# KiCad board heepidermis-bo.kicad_pcb (continued)
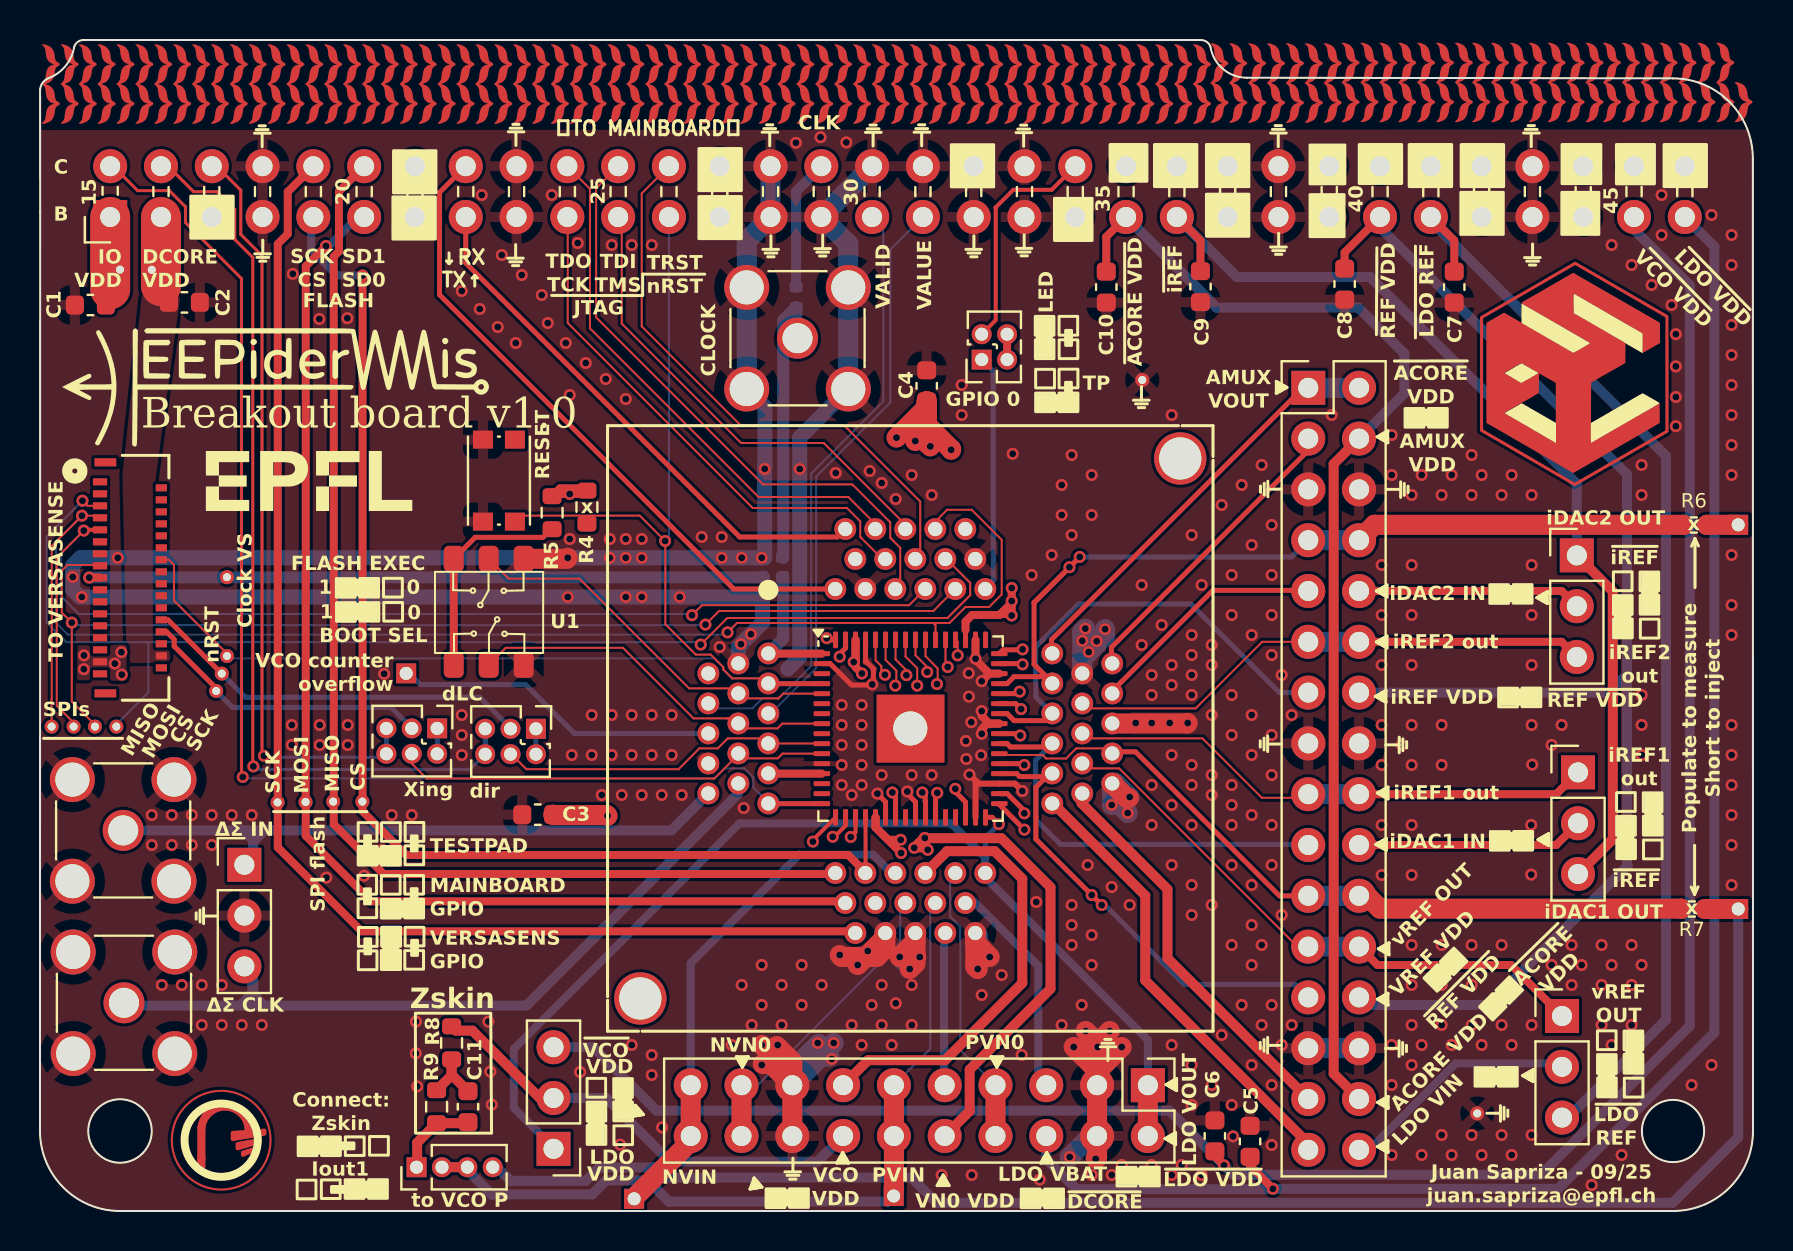
[diagram p0: board, top side]
## Routing (per net, layer and track width the routed paths; a pad name or vN(x,y) marks a point on that pad's centre or on a via; arc(x,y) is an arc through that point) (continued)
/VCO_CNT_OVF: length 16.2
  Bottom w0.25: HEEPidermis1.9 26.72,23.88 24.28,26.32 19.02,26.32 18.46,26.88
/VCO_N_VIN: length 31.5
  Top w0.25: HEEPidermis2.23 42.78,20.77 v1(42.62,20.93)
  Top w1: J21.1 29.71,0.66 32.54,3.49 J17.20 J17.19
  In2.Cu w0.25: v1(42.62,20.93) 42.62,20.75 42.22,20.35 42.22,17.45 HEEPidermis1.23
  Bottom w0.4: HEEPidermis1.23 42.57,16.9 41.65,17.82 37.97,17.82 32.54,12.39 J17.19
/VCO_N_VN0: length 15.9
  Top w1: J17.17 J17.18
  Bottom w0.1: J17.17 35.88,6.29 42.49,12.9 42.49,12.91 42.78,13.2 42.79,13.2 43.02,13.43 43.02,15.27 43.23,15.48 ; 43,15.25 42.98,15.23
  Bottom w0.15: 43.23,15.48 43,15.25
/VCO_P_VIN: length 48.4
  Top w0.1: 44.5,15.25 44.48,15.24
  Top w0.15: 44.73,15.48 44.5,15.25
  Top w0.25: HEEPidermis2.27 44.78,20.82 v1(44.87,20.91)
  Top w0.5: J37.2 J37.3
  Top w1: 42.7,0.94 J17.12 J17.11
  In2.Cu w0.1: HEEPidermis1.27 45.02,15.65 45.02,17.2 45.5,17.68
  In2.Cu w0.25: v1(44.87,20.91) 45.53,20.25 45.53,17.71 45.5,17.68
  Bottom w0.1: J17.11 44.52,8.11 44.52,15.15 HEEPidermis1.27
  Bottom w0.5: J37.2 J37.3 21.52,2.04 21.52,1.89 22.6,0.81 22.62,0.83 27.61,0.83 28.31,1.53 30.39,1.53 31.45,0.47 42.41,0.47 J22.1
/VCO_P_VN0: length 15.1
  Top w1: J17.7 J17.8
  Bottom w0.1: J17.7 46.02,8.05 46.02,14.21 45.52,14.72 45.52,15.78 45.51,15.79 45.51,16.64
  Bottom w0.15: HEEPidermis1.29 45.51,16.64
  Bottom w0.25: 48.27,6.78 J17.7 ; 45.73,16.98 45.89,16.98
/VCO_VDD: length 28.4
  Top w0.25: v1(44.12,20.93) 44.27,20.78 44.27,20.48 44.28,20.46 HEEPidermis2.26 ; 39.89,6.29 J17.13
  Top w0.5: J17.13 41.41,7.54 45.26,7.54 49.12,11.4 49.12,16.61 47.74,17.99 45.36,17.99 HEEPidermis1.26
  In2.Cu w0.25: HEEPidermis1.26 44.27,17.02 44.98,17.73 44.98,19.98 44.12,20.85 v1(44.12,20.93)
/VCO_VDD_SEL: length 22.9
  Top w0.5: R8.2 20.79,9.02 21.62,9.02 24.99,5.65 J20.2
  Bottom w0.5: J20.2 28.32,5.65 31.5,2.47 38.88,2.47 J17.14
/VCO_VN0_VDD: length 7.7
  Top w0.25: 45.21,6.32 J17.9 ; 45.23,13.98 45.21,13.96
  Bottom w0.4: 45.21,13.96 45.21,6.32
/VREF_VDD: length 24.1
  Top w0.25: HEEPidermis2.36 48.84,21.87 48.98,21.72 49.1,21.72 49.1,21.72 50.46,21.72 HEEPidermis1.36 ; v1(53.09,15.3) v1(52.59,15.8) 49.8,18.59 49.8,19.7 49.8,19.7 49.8,21.18 50.58,21.96
  Bottom w0.25: J15.25 62.77,11.33 57.22,11.33 53.25,15.3 v1(53.09,15.3) v1(52.59,15.8)
/VREF_VOUT: length 34.3
  Top w0.1: J15.23 62.87,13.22 53.96,22.13 52.41,22.13 52.08,22.46
  Top w0.25: v1(49.22,22.3) 49.15,22.37 HEEPidermis2.37 ; 52.08,22.46 52.32,22.22
  Top w0.4: J15.24 66.88,12.3 73.56,12.3 75.86,10
  In2.Cu w0.1: v1(49.22,22.3) 49.22,22.54 49.31,22.62 50.31,22.62 50.31,22.62 50.93,22.62 50.93,22.62 51.82,22.62 52.12,22.32 HEEPidermis1.37
  Bottom w0.4: 76.36,10 J19.1
  Bottom w1: J15.23 J15.24
Net-(C11-Pad1): length 3.8
  Top w0.5: C11.1 20.58,6.81 R8.1 20.58,6.79 R9.2
Net-(J5-Pin_1): length 1.3
  Bottom w0.25: 24.8,24.15 24.8,22.88
Net-(J6-Pin_1): length 1.3
  Bottom w0.25: 19.87,24.14 19.87,22.88
Net-(J12-Pin_2): length 11.4
  Top w0.4: J15.20 75.82,18.3 J12.2
Net-(J13-Pin_2): length 11.2
  Top w0.4: J13.2 76.09,31 J15.10
Net-(J14-Pin_1): length 1.6
  Top w1: 83.34,34.3 83.35,34.31 J14.1
Net-(J15-Pin_32): length 12
  Bottom w0.4: J19.2 75.94,7.38 70.79,7.38 66.47,3.06 J15.32
Net-(J37-Pin_1): length 4.2
  Top w0.5: C11.2 21.35,4.39 R9.1 18.86,3.42 18.86,2.22 J37.1
Net-(U1A-A): length 10.9
  Top w0.25: 25.62,34.15 25.15,33.68 21.76,33.68 U1.4
  Top w0.4: U1.1 U1.4

## Copper pours and planes (outline as drawn; the poured copper is in the pictures)
GND on Top, Bottom: 42.41,13.01 42.44,16.15 41.74,17.96 41.74,20.39 49.42,20.37 49.49,29.91 55.05,29.91 55.07,13.08 42.41,13.03
GND on Top, Bottom, In1.Cu, In2.Cu: -0.02,54.05 -0.09,-0.01 85.68,-0.09 85.6,54.08
GND on In2.Cu: 35.55,53.36 42.26,53.38 42.24,51.18 40.3,49.74 40.32,49.17 41.57,47.45 41.61,40.01 39.14,38.7 39.14,28.63 36.94,27.16 34.08,26.48 34.08,48.08 35.32,49.84 35.44,52.29
/SUPPLY_DCORE_VDD on Top: 6.5,28.01 6.51,27.39 5.52,27.4 4.33,27.39 4.12,36.83 5.09,45.79 7.02,45.75 5.77,36.5 5.72,28.32
/SUPPLY_DCORE_VDD on Bottom, In1.Cu: 41.23,16.36 41.28,15.15 42.69,15.05 42.71,15.56 45.43,15.58 45.68,19.8 44.72,20.17 41.2,16.95
/SUPPLY_IO_VDD on Top, In1.Cu: 1.88,28.29 1.84,26.54 4.32,26.5 4.34,28.32 2.35,28.28
/SUPPLY_LDO_REF on Top (solid shape): 76.76,47.39 72.09,44.68 72.09,39.03 76.75,36.33 81.36,38.99 81.36,44.72

## Text on the board
B.Silkscreen: short to take / clock from / SMA connector / (or main board) | short to take clock / from Versasens | short to take / clock from / main board | notes | (ℹ) {dblquote}HEEPidermis{dblquote} is a play-on-words / between {dblquote}X-HEEP{dblquote} and {dblquote}epidermis{dblquote} / (the surface of the skin, / where impedance can be measured) | (ℹ) It has an / event-based / streaming / accelerator | (ℹ) It has 2x VCO-based ADCs | (ℹ) It can inject current / with 2x 8-bit iDACs | (ℹ) It generates its own references from 1.2V | (ℹ) It can be / used as a / Versasens / sensor | (ℹ) It can decimate ΔΣ-ADC's output | HEEPidermis is a SoC for Bio-Z recording based on the X-HEEP platform. / The digital back-end and (behavioral models of) the analog front-end are open-source! / Check the QR codes to see the repos :)
F.Silkscreen: ◀ | VCO VDD | DCORE / VDD | MAINBOARD / GPIO | VERSASENS / GPIO | x | C / B | SPIs | ΔΣ IN | ΔΣ CLK | SCK / CS | 1 | FLASH | Iout1 | Connect: / Zskin | FLASH EXEC | SD1 / SD0 | BOOT SEL | 0 | Xing | to VCO P | dLC | ↓RX / TX↑ | TESTPAD | dir | TDO / TCK | JTAG | VCO | VDD | LDO | TDI / TMS | ⬆TO MAINBOARD⬆ | TRST / nRST | NVIN | NVN0 | CLK | VCO / VDD | PVIN | VN0 VDD | GPIO 0 | PVN0 | LDO VBAT | TP | DCORE | LDO VDD | AMUX / VOUT | ACORE / VDD | AMUX / VDD | iDAC2 IN | iDAC1 IN | iREF VDD | iREF2 out | iREF1 out | Juan Sapriza - 09/25 / juan.sapriza@epfl.ch | REF VDD | iDAC1 OUT | iDAC2 OUT | LDO / REF | vREF / OUT | iREF | iREF1 / out | iREF2 / out | IO / VDD | VCO counter / overflow | LDO VIN | vREF OUT | VREF VDD | ACORE VDD | MISO | MOSI | CS | SCK | TO VERSASENSE | 15 | nRST | Clock VS | SPI flash | 20 | RESET | 25 | CLOCK | 30 | VALID | VALUE | LED | 35 | LDO VOUT | 40 | 45 | Populate to measure / Short to inject | LDO REF | Zskin | Breakout board v1.0
